# KiCad board tklc_v1_rgb_LP.kicad_pcb (continued)
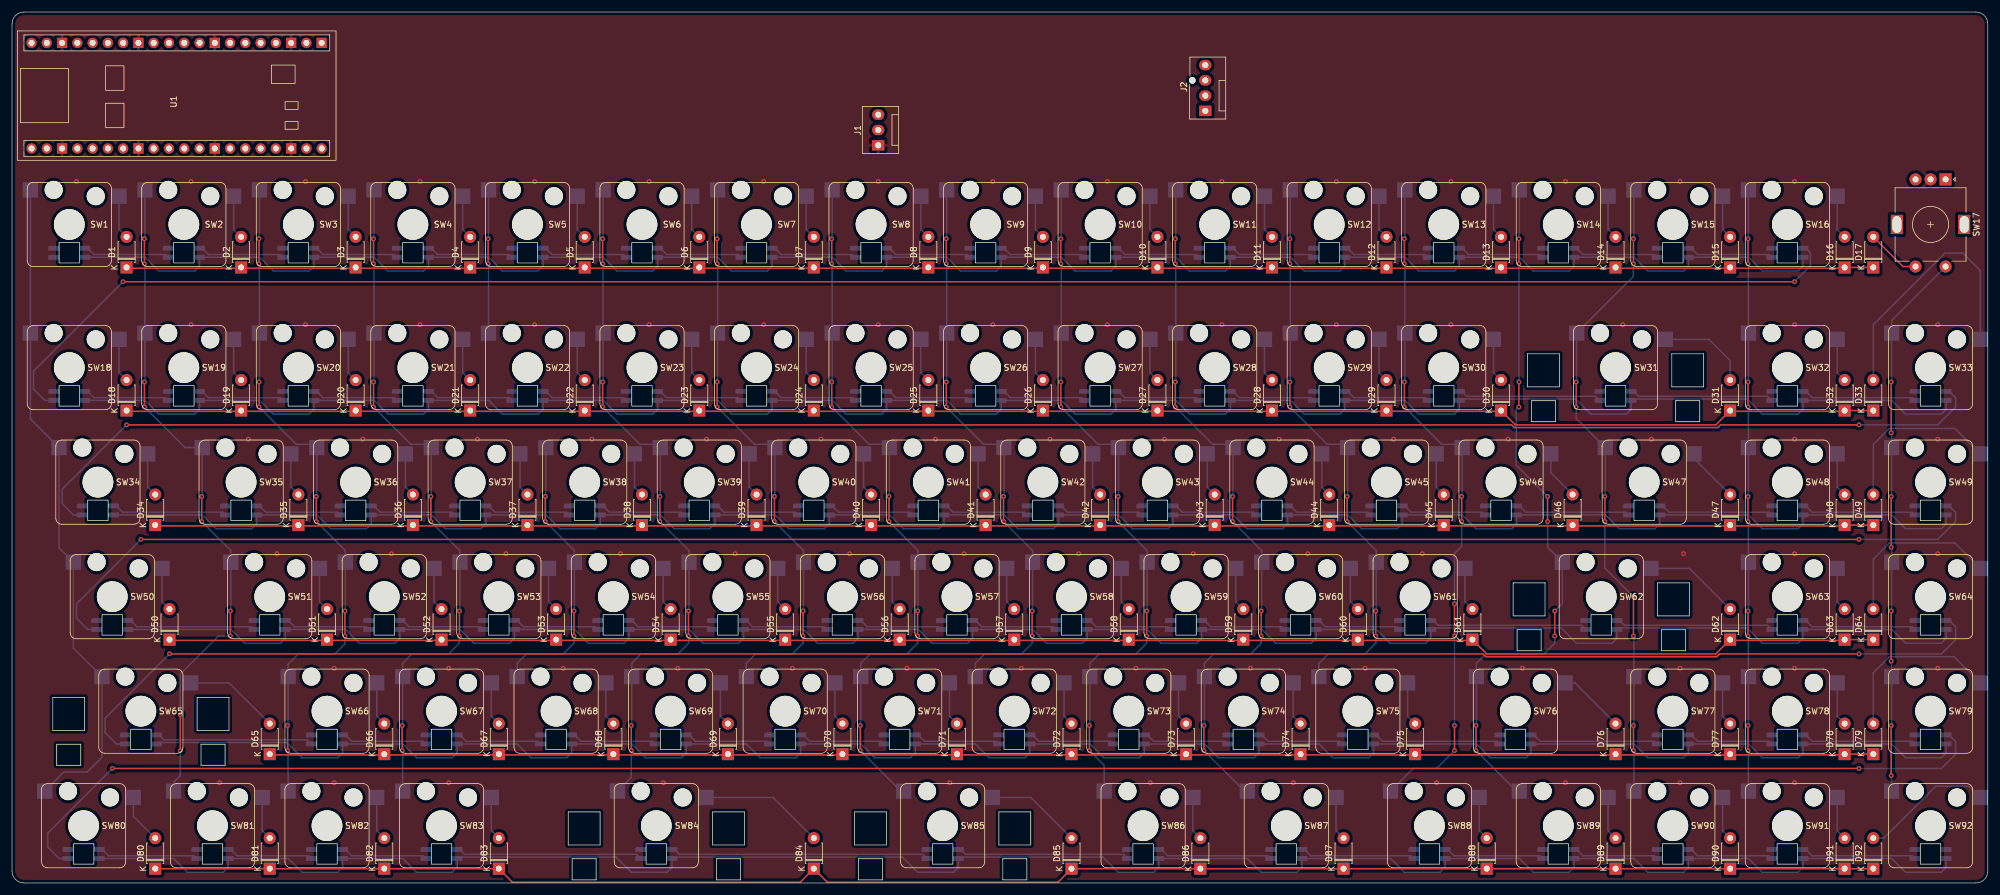
[diagram p0: board, top side]
## Nets (continued)
Net-(D70-Pad2): D70.2 SW70.1
Net-(D71-Pad2): D71.2 SW71.1
Net-(D72-Pad2): D72.2 SW72.1
Net-(D73-Pad2): D73.2 SW73.1
Net-(D74-Pad2): D74.2 SW74.1
Net-(D75-Pad2): D75.2 SW75.1
Net-(D76-Pad2): D76.2 SW76.1
Net-(D77-Pad2): D77.2 SW77.1
Net-(D78-Pad2): D78.2 SW78.1
Net-(D79-Pad2): D79.2 SW79.1
Net-(D80-Pad2): D80.2 SW80.1
Net-(D81-Pad2): D81.2 SW81.1
Net-(D82-Pad2): D82.2 SW82.1
Net-(D83-Pad2): D83.2 SW83.1
Net-(D84-Pad2): D84.2 SW84.1
Net-(D85-Pad2): D85.2 SW85.1
Net-(D86-Pad2): D86.2 SW86.1
Net-(D87-Pad2): D87.2 SW87.1
Net-(D88-Pad2): D88.2 SW88.1
Net-(D89-Pad2): D89.2 SW89.1
Net-(D90-Pad2): D90.2 SW90.1
Net-(D91-Pad2): D91.2 SW91.1
Net-(D92-Pad2): D92.2 SW92.1
Net-(SW1-Pad5): SW1.5 SW2.4
Net-(SW2-Pad5): SW2.5 SW3.4
Net-(SW3-Pad5): SW3.5 SW4.4
Net-(SW4-Pad5): SW4.5 SW5.4
Net-(SW5-Pad5): SW5.5 SW6.4
Net-(SW6-Pad5): SW6.5 SW7.4
Net-(SW7-Pad5): SW7.5 SW8.4
Net-(SW8-Pad5): SW8.5 SW9.4
Net-(SW10-Pad4): SW9.5 SW10.4
Net-(SW10-Pad5): SW10.5 SW11.4
Net-(SW11-Pad5): SW11.5 SW12.4
Net-(SW12-Pad5): SW12.5 SW13.4
Net-(SW13-Pad5): SW13.5 SW14.4
Net-(SW14-Pad5): SW14.5 SW15.4
Net-(SW15-Pad5): SW15.5 SW16.4
Net-(SW16-Pad5): SW16.5 SW18.4
Net-(SW18-Pad5): SW18.5 SW19.4
Net-(SW19-Pad5): SW19.5 SW20.4
Net-(SW20-Pad5): SW20.5 SW21.4
Net-(SW21-Pad5): SW21.5 SW22.4
Net-(SW22-Pad5): SW22.5 SW23.4
Net-(SW23-Pad5): SW23.5 SW24.4
Net-(SW24-Pad5): SW24.5 SW25.4
Net-(SW25-Pad5): SW25.5 SW26.4
Net-(SW26-Pad5): SW26.5 SW27.4
Net-(SW27-Pad5): SW27.5 SW28.4
Net-(SW28-Pad5): SW28.5 SW29.4
Net-(SW29-Pad5): SW29.5 SW30.4
Net-(SW30-Pad5): SW30.5 SW31.4
Net-(SW31-Pad5): SW31.5 SW32.4
Net-(SW32-Pad5): SW32.5 SW33.4
Net-(SW33-Pad5): SW33.5 SW34.4
Net-(SW34-Pad5): SW34.5 SW35.4
Net-(SW35-Pad5): SW35.5 SW36.4
Net-(SW36-Pad5): SW36.5 SW37.4
Net-(SW37-Pad5): SW37.5 SW38.4
Net-(SW38-Pad5): SW38.5 SW39.4
Net-(SW39-Pad5): SW39.5 SW40.4
Net-(SW40-Pad5): SW40.5 SW41.4
Net-(SW41-Pad5): SW41.5 SW42.4
Net-(SW42-Pad5): SW42.5 SW43.4
Net-(SW43-Pad5): SW43.5 SW44.4
Net-(SW44-Pad5): SW44.5 SW45.4
Net-(SW45-Pad5): SW45.5 SW46.4
Net-(SW46-Pad5): SW46.5 SW47.4
Net-(SW47-Pad5): SW47.5 SW48.4
Net-(SW48-Pad5): SW48.5 SW49.4
Net-(SW49-Pad5): SW49.5 SW50.4
Net-(SW50-Pad5): SW50.5 SW51.4
Net-(SW51-Pad5): SW51.5 SW52.4
Net-(SW52-Pad5): SW52.5 SW53.4
Net-(SW53-Pad5): SW53.5 SW54.4
Net-(SW54-Pad5): SW54.5 SW55.4
Net-(SW55-Pad5): SW55.5 SW56.4
Net-(SW56-Pad5): SW56.5 SW57.4
Net-(SW57-Pad5): SW57.5 SW58.4
Net-(SW58-Pad5): SW58.5 SW59.4
Net-(SW59-Pad5): SW59.5 SW60.4
Net-(SW60-Pad5): SW60.5 SW61.4
Net-(SW61-Pad5): SW61.5 SW62.4
Net-(SW62-Pad5): SW62.5 SW63.4
Net-(SW63-Pad5): SW63.5 SW64.4
Net-(SW64-Pad5): SW64.5 SW65.4
Net-(SW65-Pad5): SW65.5 SW66.4
Net-(SW66-Pad5): SW66.5 SW67.4
Net-(SW67-Pad5): SW67.5 SW68.4
Net-(SW68-Pad5): SW68.5 SW69.4
Net-(SW69-Pad5): SW69.5 SW70.4
Net-(SW70-Pad5): SW70.5 SW71.4
Net-(SW71-Pad5): SW71.5 SW72.4
Net-(SW72-Pad5): SW72.5 SW73.4
Net-(SW73-Pad5): SW73.5 SW74.4
Net-(SW74-Pad5): SW74.5 SW75.4
Net-(SW75-Pad5): SW75.5 SW76.4
Net-(SW76-Pad5): SW76.5 SW77.4
Net-(SW77-Pad5): SW77.5 SW78.4
Net-(SW78-Pad5): SW78.5 SW79.4
Net-(SW79-Pad5): SW79.5 SW80.4
Net-(SW80-Pad5): SW80.5 SW81.4
Net-(SW81-Pad5): SW81.5 SW82.4
Net-(SW82-Pad5): SW82.5 SW83.4
Net-(SW83-Pad5): SW83.5 SW84.4
Net-(SW84-Pad5): SW84.5 SW85.4
Net-(SW85-Pad5): SW85.5 SW86.4
Net-(SW86-Pad5): SW86.5 SW87.4
Net-(SW87-Pad5): SW87.5 SW88.4
Net-(SW88-Pad5): SW88.5 SW89.4
Net-(SW89-Pad5): SW89.5 SW90.4
Net-(SW90-Pad5): SW90.5 SW91.4
Net-(SW91-Pad5): SW91.5 SW92.4

Pads without a net: SW17 MP; SW92 5

## Via types
v1: diameter 0.8, hole 0.4, Top to Bottom, 243 vias

## Routing (per net, layer and track width the routed paths; a pad name or vN(x,y) marks a point on that pad's centre or on a via; arc(x,y) is an arc through that point)
GND:
  vias: v1(10.72,116.68) v1(29.77,116.68) v1(29.77,92.87) v1(34.53,16.67) v1(39.29,73.82) v1(44.05,54.77) v1(48.82,116.68) v1(48.82,92.87) v1(53.58,35.72) v1(53.58,16.67) v1(58.34,73.82) v1(63.1,54.77) v1(67.87,116.68) v1(67.87,92.87) v1(72.63,35.72) v1(72.63,16.67) v1(77.39,73.82) v1(82.15,54.77) v1(86.92,116.68) v1(86.92,92.87) v1(91.68,35.72) v1(96.44,73.82) v1(101.2,54.77) v1(105.97,116.68) v1(105.97,92.87) v1(108.35,16.67) v1(110.73,35.72) v1(115.49,73.82) v1(120.25,54.77) v1(125.02,116.68) v1(125.02,92.87) v1(129.78,35.72) v1(134.54,73.82) v1(139.3,54.77) v1(144.07,116.68) v1(144.07,92.87) v1(148.83,35.72) v1(153.59,73.82) v1(155.97,16.67) v1(158.35,54.77) v1(163.12,116.68) v1(163.12,92.87) v1(167.88,35.72) v1(172.64,73.82) v1(177.4,54.77) v1(182.17,116.68) v1(182.17,92.87) v1(186.93,35.72) v1(189.31,16.67) v1(191.69,73.82) v1(196.45,54.77) v1(201.22,116.68) v1(201.22,92.87) v1(205.98,35.72) v1(210.74,73.82) v1(213.12,16.67) v1(215.5,54.77) v1(220.27,116.68) v1(220.27,92.87) v1(225.03,35.72) v1(229.79,73.82) v1(234.55,54.77) v1(236.93,16.67) v1(239.32,116.68) v1(239.32,92.87) v1(248.84,73.82) v1(251.22,35.72) v1(258.37,116.68) v1(258.37,16.67) v1(267.89,92.87) v1(272.65,73.82) v1(277.42,116.68) v1(277.42,35.72) v1(277.42,16.67) v1(278.01,54.77) v1(296.47,116.68) v1(296.47,92.87) v1(296.47,73.82) v1(296.47,54.77) v1(296.47,35.72) v1(296.47,16.67) v1(320.28,92.87) v1(320.28,73.82) v1(320.28,54.77) v1(320.28,35.72)
/col0: length 111.2
  Bottom w0.25: SW80.2 8.61,18.45 12.5,18.45 14.96,20.91 SW65.2 10.19,39.09 SW50.2 7.81,55.76 SW34.2 3.05,77.19 SW18.2 SW1.2
/col1: length 112.9
  Top w0.25: v1(27.98,27.98) v1(27.98,22.03) ; v1(36.31,45.24) v1(36.31,41.08) ; v1(31.55,60.13) v1(31.55,64.29) ; v1(22.03,79.18) v1(22.03,83.34) ; v1(22.03,107.16) v1(22.03,102.99)
  Bottom w0.25: SW81.2 26.86,16.74 27.98,17.86 v1(27.98,22.03) ; v1(22.03,102.99) 22.1,102.92 SW19.2 22.1,83.42 v1(22.03,83.34) ; v1(27.98,27.98) 27.98,34.75 34.31,41.08 v1(36.31,41.08) ; v1(36.31,45.24) 36.39,45.32 SW51.2 36.39,55.29 v1(31.55,60.13) ; v1(22.03,107.16) 22.1,107.23 SW2.2 ; v1(31.55,64.29) 31.63,64.37 SW35.2 28.78,72.43 v1(22.03,79.18)
/col2: length 114.6
  Top w0.25: v1(50.6,60.13) v1(50.6,64.29) ; v1(41.08,102.99) v1(41.08,107.16) ; v1(45.84,22.03) v1(45.84,26.19) ; v1(41.08,79.18) v1(41.08,83.34) ; v1(55.36,41.08) v1(55.36,45.24)
  Bottom w0.25: v1(50.6,60.13) 55.44,55.29 SW52.2 55.44,45.32 v1(55.36,45.24) ; SW36.2 50.68,64.37 v1(50.6,64.29) ; v1(45.84,26.19) 45.91,26.27 SW66.2 45.91,36.39 47.63,38.1 53.71,38.1 55.36,39.75 v1(55.36,41.08) ; v1(41.08,79.18) 47.28,72.97 50.13,72.97 ; SW3.2 41.15,107.23 v1(41.08,107.16) ; v1(41.08,83.34) 41.15,83.42 SW20.2 41.15,102.92 v1(41.08,102.99) ; SW82.2 45.91,21.95 v1(45.84,22.03)
/col3: length 114.6
  Top w0.25: v1(60.13,107.16) v1(60.13,102.99) ; v1(60.13,79.18) v1(60.13,83.34) ; v1(74.41,41.08) v1(74.41,45.24) ; v1(64.89,26.19) v1(64.89,22.03) ; v1(69.65,60.13) v1(69.65,64.29)
  Bottom w0.25: v1(64.89,26.19) 64.96,26.27 SW67.2 64.96,36.55 66.52,38.1 72.63,38.1 74.41,39.89 v1(74.41,41.08) ; SW4.2 60.2,107.23 v1(60.13,107.16) ; 69.18,72.97 66.33,72.97 v1(60.13,79.18) ; SW83.2 64.96,21.95 v1(64.89,22.03) ; v1(60.13,83.34) 60.2,83.42 SW21.2 60.2,102.92 v1(60.13,102.99) ; v1(69.65,64.29) 69.73,64.37 SW37.2 ; v1(69.65,60.13) 74.49,55.29 SW53.2 74.49,45.32 v1(74.41,45.24)
/col4: length 71.5
  Top w0.25: v1(79.18,107.16) v1(79.18,102.99) ; v1(93.46,41.08) v1(93.46,45.24) ; v1(88.7,64.29) v1(88.7,60.13)
  Bottom w0.25: v1(88.7,64.29) 88.78,64.37 SW38.2 ; v1(79.18,107.16) 79.25,107.23 SW5.2 ; v1(88.7,60.13) 93.54,55.29 SW54.2 93.54,45.32 v1(93.46,45.24) ; v1(93.46,41.08) 93.46,39.89 91.68,38.1 85.57,38.1 84.01,36.55 SW68.2 ; SW22.2 79.25,102.92 v1(79.18,102.99)
/col5: length 115.5
  Top w0.25: v1(107.75,64.29) v1(107.75,60.13) ; v1(112.51,41.08) v1(112.51,45.24) ; v1(98.23,79.18) 98.23,79.8 v1(98.23,83.34) ; v1(102.99,26.19) v1(102.99,22.03) ; v1(98.23,107.16) v1(98.23,102.99)
  Bottom w0.25: 107.28,72.97 104.43,72.97 v1(98.23,79.18) ; v1(107.75,64.29) 107.83,64.37 SW39.2 ; v1(98.23,83.34) 98.3,83.42 SW23.2 98.3,102.92 v1(98.23,102.99) ; SW6.2 98.3,107.23 v1(98.23,107.16) ; v1(112.51,45.24) 112.59,45.32 SW55.2 112.59,55.29 v1(107.75,60.13) ; v1(102.99,26.19) 103.06,26.27 103.06,36.55 104.62,38.1 110.73,38.1 112.51,39.89 v1(112.51,41.08) ; v1(102.99,22.03) 102.99,17.58 SW84.2
/col6: length 95.5
  Top w0.25: v1(117.28,107.16) v1(117.28,102.99) ; v1(126.8,64.29) v1(126.8,60.13) ; v1(117.28,83.34) v1(117.28,79.18) ; v1(131.56,41.08) 131.56,44.65 v1(131.56,45.24)
  Bottom w0.25: SW40.2 126.88,64.37 v1(126.8,64.29) ; v1(117.28,107.16) 117.35,107.23 SW7.2 ; v1(131.56,45.24) 131.64,45.32 SW56.2 131.64,55.29 v1(126.8,60.13) ; v1(117.28,79.18) 123.48,72.97 126.33,72.97 ; v1(117.28,83.34) 117.35,83.42 SW24.2 117.35,102.92 v1(117.28,102.99) ; SW70.2 122.11,36.55 123.67,38.1 129.78,38.1 131.56,39.89 v1(131.56,41.08)
/col7: length 117.4
  Top w0.25: v1(141.09,26.19) v1(141.09,22.03) ; v1(150.61,41.08) 150.61,44.65 v1(150.61,45.24) ; v1(136.33,79.18) 136.33,79.8 v1(136.33,83.34) ; v1(136.33,107.16) v1(136.33,102.99) ; v1(145.85,64.29) v1(145.85,60.13)
  Bottom w0.25: v1(145.85,60.13) 150.69,55.29 SW57.2 150.69,45.32 v1(150.61,45.24) ; 145.38,72.97 142.53,72.97 v1(136.33,79.18) ; v1(141.09,22.03) 147.84,15.28 ; v1(136.33,83.34) 136.4,83.42 SW25.2 136.4,102.92 v1(136.33,102.99) ; v1(150.61,41.08) 150.61,39.89 148.83,38.1 142.72,38.1 141.16,36.55 141.16,26.27 v1(141.09,26.19) ; v1(145.85,64.29) 145.93,64.37 SW41.2 ; v1(136.33,107.16) 136.4,107.23 SW8.2
/col8: length 95.5
  Top w0.25: v1(155.38,107.16) v1(155.38,102.99) ; v1(169.66,41.08) v1(169.66,45.24) ; v1(155.38,83.34) v1(155.38,79.18) ; v1(164.9,64.29) v1(164.9,60.13)
  Bottom w0.25: SW72.2 160.21,36.55 161.77,38.1 167.88,38.1 169.66,39.89 v1(169.66,41.08) ; v1(155.38,83.34) 155.45,83.42 SW26.2 155.45,102.92 v1(155.38,102.99) ; SW9.2 155.45,107.23 v1(155.38,107.16) ; SW42.2 164.98,64.37 v1(164.9,64.29) ; v1(155.38,79.18) 161.58,72.97 164.43,72.97 ; v1(169.66,45.24) 169.74,45.32 SW58.2 169.74,55.29 v1(164.9,60.13)
/col9: length 115.6
  Top w0.25: v1(174.43,83.34) 174.43,79.8 174.43,79.8 v1(174.43,79.18) ; v1(174.43,102.99) 174.43,102.99 174.43,107.16 v1(174.43,107.16) ; v1(188.71,41.08) v1(188.71,45.24) ; v1(183.95,64.29) v1(183.95,60.13) ; v1(179.19,22.03) v1(179.19,26.19)
  Bottom w0.25: v1(174.43,79.18) 180.63,72.97 183.48,72.97 ; v1(179.19,26.19) 179.26,26.27 179.26,36.55 180.82,38.1 186.93,38.1 188.71,39.89 v1(188.71,41.08) ; SW10.2 174.5,107.23 v1(174.43,107.16) ; v1(174.43,83.34) 174.5,83.42 SW27.2 174.5,102.92 v1(174.43,102.99) ; v1(179.19,22.03) 181.64,19.57 SW86.2 ; SW43.2 184.03,64.37 v1(183.95,64.29) ; v1(188.71,45.24) 188.79,45.32 SW59.2 188.79,55.29 v1(183.95,60.13)
/col10: length 117.4
  Top w0.25: v1(198.24,26.19) v1(198.24,22.03) ; v1(193.48,83.34) 193.48,79.8 193.48,79.8 v1(193.48,79.18) ; v1(203,64.29) v1(203,60.13) ; v1(207.76,41.08) 207.76,44.65 v1(207.76,45.24) ; v1(193.48,102.99) 193.48,102.99 v1(193.48,107.16)
  Bottom w0.25: v1(193.48,102.99) 193.55,102.92 SW28.2 193.55,83.42 v1(193.48,83.34) ; SW11.2 193.55,107.23 v1(193.48,107.16) ; v1(193.48,79.18) 199.68,72.97 202.53,72.97 ; v1(207.76,41.08) 207.76,39.89 205.98,38.1 199.87,38.1 198.31,36.55 198.31,26.27 v1(198.24,26.19) ; v1(207.76,45.24) 207.84,45.32 SW60.2 207.84,55.29 v1(203,60.13) ; v1(198.24,22.03) 204.99,15.28 ; SW44.2 203.08,64.37 v1(203,64.29)
/col11: length 95.5
  Top w0.25: v1(222.05,64.29) v1(222.05,60.13) ; v1(226.81,41.08) v1(226.81,45.24) ; v1(212.53,79.18) 212.53,79.8 212.53,79.8 v1(212.53,83.34) ; v1(212.53,107.16) 212.53,107.16 212.53,102.99 v1(212.53,102.99)
  Bottom w0.25: SW12.2 212.6,107.23 v1(212.53,107.16) ; v1(226.81,41.08) 226.81,39.89 225.03,38.1 218.92,38.1 217.36,36.55 SW75.2 ; v1(226.81,45.24) 226.89,45.32 SW61.2 226.89,55.29 v1(222.05,60.13) ; 221.58,72.97 218.73,72.97 v1(212.53,79.18) ; SW45.2 222.13,64.37 v1(222.05,64.29) ; v1(212.53,102.99) 212.6,102.92 SW29.2 212.6,83.42 v1(212.53,83.34)
/col12: length 112.2
  Top w0.25: v1(239.91,41.08) v1(239.91,46.43) ; v1(231.58,107.16) v1(231.58,102.99) ; v1(241.1,64.29) v1(241.1,60.13) ; v1(239.91,22.03) v1(239.91,26.19) ; v1(231.58,83.34) v1(231.58,79.18)
  Bottom w0.25: v1(231.58,102.99) 231.65,102.92 SW30.2 231.65,83.42 v1(231.58,83.34) ; v1(239.91,46.43) 239.91,54.8 241.1,55.99 v1(241.1,60.13) ; v1(241.1,64.29) 241.18,64.37 SW46.2 ; v1(239.91,41.08) v1(239.91,26.19) ; SW88.2 233.04,19.05 236.93,19.05 v1(239.91,22.03) ; 240.63,72.97 237.78,72.97 v1(231.58,79.18) ; SW13.2 231.65,107.23 v1(231.58,107.16)
/col13: length 117.8
  Top w0.25: v1(256.58,41.08) v1(256.58,45.24) ; v1(250.63,83.34) v1(250.63,79.18) ; v1(243.48,22.03) v1(243.48,26.19) ; v1(255.39,64.29) v1(255.39,60.13) ; v1(250.63,102.99) v1(250.63,107.16)
  Bottom w0.25: v1(255.39,64.29) 250.18,69.51 250.18,78.73 v1(250.63,79.18) ; SW14.2 250.7,107.23 v1(250.63,107.16) ; v1(256.58,45.24) 257.84,46.51 SW62.2 255.39,55.83 v1(255.39,60.13) ; v1(243.48,26.19) 243.56,26.27 243.56,36.55 245.11,38.1 254.79,38.1 256.58,39.89 v1(256.58,41.08) ; v1(243.48,22.03) 250.23,15.28 ; v1(250.63,83.34) v1(250.63,102.99)
/col14: length 108.1
  Top w0.25: v1(260.15,79.18) v1(260.15,83.34) ; v1(269.68,41.08) v1(269.68,47.62) ; v1(264.91,60.13) v1(264.91,64.29) ; v1(269.68,22.03) v1(269.68,26.19) ; v1(269.68,102.99) v1(269.68,107.16)
  Bottom w0.25: v1(269.68,102.99) 269.68,100.93 SW31.2 260.23,83.42 v1(260.15,83.34) ; v1(269.68,26.19) 269.75,26.27 SW77.2 269.75,41 v1(269.68,41.08) ; v1(269.68,47.62) 264.91,52.39 v1(264.91,60.13) ; v1(269.68,107.16) 269.75,107.23 SW15.2 ; v1(260.15,79.18) 260.15,77.26 SW47.2 264.99,64.37 v1(264.91,64.29) ; v1(269.68,22.03) 269.75,21.95 SW90.2
/col15: length 100.3
  Top w0.25: v1(288.73,26.19) v1(288.73,22.03) ; v1(288.73,64.29) v1(288.73,60.13) ; v1(288.73,79.18) v1(288.73,83.34) ; v1(288.73,45.24) v1(288.73,41.08) ; v1(288.73,107.16) v1(288.73,102.99)
  Bottom w0.25: SW16.2 288.8,107.23 v1(288.73,107.16) ; v1(288.73,64.29) 288.8,64.37 SW48.2 288.8,79.1 v1(288.73,79.18) ; v1(288.73,60.13) 288.8,60.05 SW63.2 288.8,45.32 v1(288.73,45.24) ; v1(288.73,22.03) 288.8,21.95 SW91.2 ; v1(288.73,83.34) 288.8,83.42 SW32.2 288.8,102.92 v1(288.73,102.99) ; v1(288.73,26.19) 288.8,26.27 SW78.2 288.8,41 v1(288.73,41.08)
/col16: length 91.2
  Top w0.25: v1(312.54,36.91) v1(312.54,45.24) ; v1(312.54,55.83) v1(312.54,64.29) ; v1(312.54,17.86) v1(312.54,26.19) ; v1(312.54,74.88) v1(312.54,83.34)
  Bottom w0.25: v1(312.54,45.24) 312.61,45.32 SW64.2 312.61,55.76 v1(312.54,55.83) ; SW17.S1 312.61,93.56 SW33.2 312.61,83.42 v1(312.54,83.34) ; SW92.2 312.61,17.79 v1(312.54,17.86) ; v1(312.54,26.19) 312.61,26.27 SW79.2 312.61,36.84 v1(312.54,36.91) ; v1(312.54,64.29) 312.61,64.37 SW49.2 312.61,74.81 v1(312.54,74.88)
/PWR: length 340.9
  Bottom w0.25: SW80.3 26.88,4.08 29.17,1.79 35.12,1.79 35.94,2.6 SW81.3 45.93,4.08 48.22,1.79 54.17,1.79 54.99,2.6 SW82.3 64.98,4.08 67.27,1.79 73.22,1.79 74.04,2.6 SW83.3 74.28,4.31 100.46,4.31 102.99,1.79 108.94,1.79 109.76,2.6 SW84.3 109.99,4.31 148.09,4.31 150.61,1.79 156.57,1.79 157.38,2.6 SW85.3 157.62,4.31 181.42,4.31 183.95,1.79 189.9,1.79 190.72,2.6 SW86.3 205.48,4.08 207.76,1.79 213.72,1.79 214.53,2.6 SW87.3 229.29,4.08 231.58,1.79 237.53,1.79 238.34,2.6 SW88.3 250.72,4.08 253.01,1.79 258.96,1.79 259.78,2.6 SW89.3 269.77,4.08 272.06,1.79 278.01,1.79 278.83,2.6 SW90.3 288.82,4.08 291.11,1.79 297.06,1.79 297.88,2.6 SW91.3 312.63,4.08 314.92,1.79 320.87,1.79 321.69,2.6 SW92.3
/RGB_PWR: length 1702.7
  Bottom w0.25: SW34.3 31.64,61.23 33.93,58.94 39.89,58.94 40.7,59.75 SW35.3 50.69,61.23 52.98,58.94 58.94,58.94 59.75,59.75 SW36.3 69.74,61.23 72.03,58.94 77.99,58.94 78.8,59.75 SW37.3 88.79,61.23 91.08,58.94 97.04,58.94 97.85,59.75 SW38.3 107.84,61.23 110.13,58.94 116.09,58.94 116.9,59.75 SW39.3 126.89,61.23 129.18,58.94 135.14,58.94 135.95,59.75 SW40.3 145.94,61.23 148.23,58.94 154.19,58.94 155,59.75 SW41.3 164.99,61.23 167.28,58.94 173.24,58.94 174.05,59.75 SW42.3 184.04,61.23 186.33,58.94 192.29,58.94 193.1,59.75 SW43.3 203.09,61.23 205.38,58.94 211.34,58.94 212.15,59.75 SW44.3 222.14,61.23 224.43,58.94 230.39,58.94 231.2,59.75 SW45.3 241.19,61.23 243.48,58.94 249.44,58.94 250.25,59.75 SW46.3 265.01,61.23 267.3,58.94 273.25,58.94 274.06,59.75 SW47.3 288.82,61.23 291.11,58.94 297.06,58.94 297.88,59.75 SW48.3 312.63,61.23 314.92,58.94 320.87,58.94 321.69,59.75 SW49.3 ; 19.27,42.18 36.41,42.18 38.7,39.89 44.65,39.89 45.46,40.7 SW51.3 55.46,42.18 57.75,39.89 63.7,39.89 64.51,40.7 SW52.3 74.51,42.18 76.8,39.89 82.75,39.89 83.56,40.7 SW53.3 93.56,42.18 95.85,39.89 101.8,39.89 102.61,40.7 SW54.3 112.61,42.18 114.9,39.89 120.85,39.89 121.66,40.7 SW55.3 131.66,42.18 133.95,39.89 139.9,39.89 140.71,40.7 SW56.3 150.71,42.18 153,39.89 158.95,39.89 159.76,40.7 SW57.3 169.76,42.18 172.05,39.89 178,39.89 178.81,40.7 SW58.3 188.81,42.18 191.1,39.89 197.05,39.89 197.86,40.7 SW59.3 207.86,42.18 210.15,39.89 216.1,39.89 216.91,40.7 SW60.3 226.91,42.18 229.2,39.89 235.15,39.89 235.96,40.7 SW61.3 236.2,42.41 257.67,42.41 260.2,39.89 266.1,39.89 266.92,40.7 SW62.3 267.16,42.41 288.58,42.41 291.11,39.89 297.06,39.89 297.88,40.7 SW63.3 312.63,42.18 314.92,39.89 320.87,39.89 321.69,40.7 SW64.3 ; SW79.3 321.69,21.65 320.87,20.84 314.92,20.84 312.63,23.13 SW78.3 297.88,21.65 297.06,20.84 291.11,20.84 288.82,23.13 SW77.3 278.83,21.65 278.01,20.84 272.06,20.84 269.77,23.13 SW76.3 252.63,21.65 251.82,20.84 245.86,20.84 243.58,23.13 SW75.3 226.44,21.65 225.62,20.84 219.67,20.84 217.38,23.13 SW74.3 207.39,21.65 206.57,20.84 200.62,20.84 198.33,23.13 SW73.3 188.34,21.65 187.52,20.84 181.57,20.84 179.28,23.13 SW72.3 169.29,21.65 168.47,20.84 162.52,20.84 160.23,23.13 SW71.3 150.24,21.65 149.42,20.84 143.47,20.84 141.18,23.13 SW70.3 131.19,21.65 130.37,20.84 124.42,20.84 122.13,23.13 SW69.3 112.14,21.65 111.32,20.84 105.37,20.84 103.08,23.13 SW68.3 93.09,21.65 92.27,20.84 86.32,20.84 84.03,23.13 SW67.3 74.04,21.65 73.22,20.84 67.27,20.84 64.98,23.13 SW66.3 54.99,21.65 54.17,20.84 48.22,20.84 45.69,23.36 24.27,23.36 SW65.3 ; SW1.3 22.12,104.09 24.41,101.8 30.36,101.8 31.18,102.61 SW2.3 41.17,104.09 43.46,101.8 49.41,101.8 50.23,102.61 SW3.3 60.22,104.09 62.51,101.8 68.46,101.8 69.28,102.61 SW4.3 79.27,104.09 81.56,101.8 87.51,101.8 88.33,102.61 SW5.3 98.32,104.09 100.61,101.8 106.56,101.8 107.38,102.61 SW6.3 117.37,104.09 119.66,101.8 125.61,101.8 126.43,102.61 SW7.3 136.42,104.09 138.71,101.8 144.66,101.8 145.48,102.61 SW8.3 155.47,104.09 157.76,101.8 163.71,101.8 164.53,102.61 SW9.3 174.52,104.09 176.81,101.8 182.76,101.8 183.58,102.61 SW10.3 193.57,104.09 195.86,101.8 201.81,101.8 202.63,102.61 SW11.3 212.62,104.09 214.91,101.8 220.86,101.8 221.68,102.61 SW12.3 231.67,104.09 233.96,101.8 239.91,101.8 240.73,102.61 SW13.3 250.72,104.09 253.01,101.8 258.96,101.8 259.78,102.61 SW14.3 269.77,104.09 272.06,101.8 278.01,101.8 278.83,102.61 SW15.3 288.82,104.09 291.11,101.8 297.06,101.8 297.88,102.61 SW16.3 ; SW33.3 321.69,78.8 320.87,77.99 314.92,77.99 312.63,80.28 SW32.3 297.88,78.8 297.06,77.99 291.11,77.99 288.58,80.51 269.54,80.51 SW31.3 269.3,78.8 268.49,77.99 262.58,77.99 260.05,80.51 240.96,80.51 SW30.3 240.73,78.8 239.91,77.99 233.96,77.99 231.67,80.28 SW29.3 221.68,78.8 220.86,77.99 214.91,77.99 212.62,80.28 SW28.3 202.63,78.8 201.81,77.99 195.86,77.99 193.57,80.28 SW27.3 183.58,78.8 182.76,77.99 176.81,77.99 174.52,80.28 SW26.3 164.53,78.8 163.71,77.99 157.76,77.99 155.47,80.28 SW25.3 145.48,78.8 144.66,77.99 138.71,77.99 136.42,80.28 SW24.3 126.43,78.8 125.61,77.99 119.66,77.99 117.37,80.28 SW23.3 107.38,78.8 106.56,77.99 100.61,77.99 98.32,80.28 SW22.3 88.33,78.8 87.51,77.99 81.56,77.99 79.27,80.28 SW21.3 69.28,78.8 68.46,77.99 62.51,77.99 60.22,80.28 SW20.3 50.23,78.8 49.41,77.99 43.46,77.99 41.17,80.28 SW19.3 31.18,78.8 30.36,77.99 24.41,77.99 22.12,80.28 SW18.3
/row0: length 286.6
  Top w0.25: 19.18,102.26 37.97,102.26 ; 285.62,102.26 266.83,102.26 ; 304.67,102.26 285.88,102.26 ; D17.1 D16.1 ; 228.47,102.26 209.68,102.26 ; 95.38,102.26 114.17,102.26 ; 247.52,102.26 228.73,102.26 ; 266.57,102.26 247.78,102.26 ; 133.48,102.26 152.27,102.26 ; 171.32,102.26 152.53,102.26 ; 209.42,102.26 190.63,102.26 ; 76.07,102.26 57.28,102.26 ; 190.37,102.26 171.58,102.26 ; 95.12,102.26 76.33,102.26 ; 38.23,102.26 57.02,102.26 ; 114.43,102.26 133.22,102.26
/row1: length 289.1
  Top w0.25: 152.53,78.45 171.32,78.45 ; 190.63,78.45 209.42,78.45 ; 95.38,78.45 114.17,78.45 ; 209.68,78.45 228.47,78.45 ; D32.1 D33.1 ; 171.58,78.45 190.37,78.45 ; 228.73,78.45 247.52,78.45 ; 285.88,78.45 304.67,78.45 ; D30.1 250.03,76.2 283.37,76.2 D31.1 ; 114.43,78.45 133.22,78.45 ; 57.28,78.45 76.07,78.45 ; 76.33,78.45 95.12,78.45 ; 19.18,78.45 37.97,78.45 ; 133.48,78.45 152.27,78.45 ; 38.23,78.45 57.02,78.45
/row2: length 282.1
  Top w0.25: 104.9,59.4 123.7,59.4 ; 47.75,59.4 66.55,59.4 ; 180.85,59.4 162.05,59.4 ; 199.9,59.4 181.1,59.4 ; 23.94,59.4 47.5,59.4 ; 161.8,59.4 143,59.4 ; 85.85,59.4 104.65,59.4 ; 259.69,59.4 285.62,59.4 ; 259.43,59.4 238.25,59.4 ; 285.88,59.4 304.67,59.4 ; 219.2,59.4 238,59.4 ; 85.6,59.4 66.8,59.4 ; D49.1 D48.1 ; 142.75,59.4 123.95,59.4 ; 200.15,59.4 218.95,59.4
/row3: length 282.2
  Top w0.25: 26.32,40.35 52.26,40.35 ; 285.88,40.35 304.67,40.35 ; 185.87,40.35 204.66,40.35 ; D61.1 245.27,38.1 283.37,38.1 D62.1 ; 52.52,40.35 71.31,40.35 ; 71.57,40.35 90.36,40.35 ; 128.72,40.35 147.51,40.35 ; 147.77,40.35 166.56,40.35 ; 90.62,40.35 109.41,40.35 ; D63.1 D64.1 ; 204.92,40.35 223.71,40.35 ; 109.67,40.35 128.46,40.35 ; 223.97,40.35 242.76,40.35 ; 166.82,40.35 185.61,40.35
/row4: length 263.3
  Top w0.25: D78.1 D79.1 ; 157.29,21.3 176.08,21.3 ; 266.83,21.3 285.62,21.3 ; 42.99,21.3 61.78,21.3 ; 138.24,21.3 157.03,21.3 ; 100.14,21.3 118.93,21.3 ; 81.09,21.3 99.88,21.3 ; 176.34,21.3 195.13,21.3 ; 195.39,21.3 214.18,21.3 ; 119.19,21.3 137.98,21.3 ; 62.04,21.3 80.83,21.3 ; 214.44,21.3 233.23,21.3 ; 233.49,21.3 266.57,21.3 ; 285.88,21.3 304.67,21.3
/row5: length 289.5
  Top w0.25: D92.1 D91.1 D90.1 D89.1 D88.1 D87.1 D86.1 D85.1 173.96,0.13 135.61,0.13 D84.1 131.09,0.13 83.22,0.13 D83.1 D80.1
Net-(D1-Pad2): length 7.3
  Bottom w0.25: SW1.1 17.8,108.72 D1.2
Net-(D2-Pad2): length 7.3
  Bottom w0.25: D2.2 36.85,108.72 SW2.1
Net-(D3-Pad2): length 7.3
  Bottom w0.25: SW3.1 55.9,108.72 D3.2
Net-(D4-Pad2): length 7.3
  Bottom w0.25: D4.2 74.95,108.72 SW4.1
Net-(D5-Pad2): length 7.3
  Bottom w0.25: SW5.1 94,108.72 D5.2
Net-(D6-Pad2): length 7.3
  Bottom w0.25: SW6.1 113.05,108.72 D6.2
Net-(D7-Pad2): length 7.3
  Bottom w0.25: SW7.1 132.1,108.72 D7.2
Net-(D8-Pad2): length 7.3
  Bottom w0.25: SW8.1 151.15,108.72 D8.2
Net-(D9-Pad2): length 7.3
  Bottom w0.25: SW9.1 170.2,108.72 D9.2
Net-(D10-Pad2): length 7.3
  Bottom w0.25: D10.2 189.25,108.72 SW10.1
Net-(D11-Pad2): length 7.3
  Bottom w0.25: D11.2 208.3,108.72 SW11.1
Net-(D12-Pad2): length 7.3
  Bottom w0.25: SW12.1 227.35,108.72 D12.2
Net-(D13-Pad2): length 7.3
  Bottom w0.25: D13.2 246.4,108.72 SW13.1
Net-(D14-Pad2): length 7.3
  Bottom w0.25: D14.2 265.45,108.72 SW14.1
Net-(D15-Pad2): length 7.3
  Bottom w0.25: SW15.1 284.5,108.72 D15.2
Net-(D16-Pad2): length 7.3
  Bottom w0.25: D16.2 303.55,108.72 SW16.1
Net-(D17-Pad2): length 9.1
  Top w0.25: D17.2 314.5,102.54 SW17.S2
Net-(D18-Pad2): length 7.3
  Bottom w0.25: D18.2 17.8,84.91 SW18.1
Net-(D19-Pad2): length 7.3
  Bottom w0.25: SW19.1 36.85,84.91 D19.2
Net-(D20-Pad2): length 7.3
  Bottom w0.25: SW20.1 55.9,84.91 D20.2
Net-(D21-Pad2): length 7.3
  Bottom w0.25: D21.2 74.95,84.91 SW21.1
Net-(D22-Pad2): length 7.3
  Bottom w0.25: D22.2 94,84.91 SW22.1
Net-(D23-Pad2): length 7.3
  Bottom w0.25: D23.2 113.05,84.91 SW23.1
Net-(D24-Pad2): length 7.3
  Bottom w0.25: SW24.1 132.1,84.91 D24.2
Net-(D25-Pad2): length 7.3
  Bottom w0.25: SW25.1 151.15,84.91 D25.2
Net-(D26-Pad2): length 7.3
  Bottom w0.25: D26.2 170.2,84.91 SW26.1
Net-(D27-Pad2): length 7.3
  Bottom w0.25: SW27.1 189.25,84.91 D27.2
Net-(D28-Pad2): length 7.3
  Bottom w0.25: SW28.1 208.3,84.91 D28.2
Net-(D29-Pad2): length 7.3
  Bottom w0.25: D29.2 227.35,84.91 SW29.1
Net-(D30-Pad2): length 7.3
  Bottom w0.25: SW30.1 246.4,84.91 D30.2
Net-(D31-Pad2): length 15.6
  Bottom w0.25: SW31.1 282.24,90.43 285.75,86.92 285.75,83.5
Net-(D32-Pad2): length 7.3
  Bottom w0.25: SW32.1 303.55,84.91 D32.2
Net-(D33-Pad2): length 44.6
  Bottom w0.25: SW33.1 327.36,101.86 324.45,104.77 321.47,104.77 309.56,92.87 D33.2
Net-(D34-Pad2): length 7.3
  Bottom w0.25: D34.2 22.56,65.86 SW34.1
Net-(D35-Pad2): length 7.3
  Bottom w0.25: SW35.1 46.38,65.86 D35.2
Net-(D36-Pad2): length 7.3
  Bottom w0.25: D36.2 65.43,65.86 SW36.1
Net-(D37-Pad2): length 7.3
  Bottom w0.25: D37.2 84.48,65.86 SW37.1
Net-(D38-Pad2): length 7.3
  Bottom w0.25: D38.2 103.53,65.86 SW38.1
Net-(D39-Pad2): length 7.3
  Bottom w0.25: D39.2 122.58,65.86 SW39.1
Net-(D40-Pad2): length 7.3
  Bottom w0.25: D40.2 141.63,65.86 SW40.1
Net-(D41-Pad2): length 7.3
  Bottom w0.25: SW41.1 160.68,65.86 D41.2
Net-(D42-Pad2): length 7.3
  Bottom w0.25: SW42.1 179.73,65.86 D42.2
Net-(D43-Pad2): length 7.3
  Bottom w0.25: D43.2 198.78,65.86 SW43.1
Net-(D44-Pad2): length 7.3
  Bottom w0.25: D44.2 217.83,65.86 SW44.1
Net-(D45-Pad2): length 7.3
  Bottom w0.25: SW45.1 236.88,65.86 D45.2
Net-(D46-Pad2): length 8.3
  Bottom w0.25: SW46.1 255.93,68.24 D46.2
Net-(D47-Pad2): length 8.5
  Bottom w0.25: 279.74,70.62 D47.2
Net-(D48-Pad2): length 7.3
  Bottom w0.25: D48.2 303.55,65.86 SW48.1
Net-(D49-Pad2): length 29
  Bottom w0.25: SW49.1 323.13,75.6 312.24,75.6 309.56,72.93 D49.2
Net-(D50-Pad2): length 7.3
  Bottom w0.25: 26.19,45.56 24.94,46.81 SW50.1
Net-(D51-Pad2): length 7.3
  Bottom w0.25: 52.39,45.56 51.14,46.81 SW51.1
Net-(D52-Pad2): length 7.3
  Bottom w0.25: 71.44,45.56 70.19,46.81 SW52.1
Net-(D53-Pad2): length 7.3
  Bottom w0.25: SW53.1 89.24,46.81 90.49,45.56
Net-(D54-Pad2): length 7.3
  Bottom w0.25: 109.54,45.56 108.29,46.81 SW54.1
Net-(D55-Pad2): length 7.3
  Bottom w0.25: SW55.1 127.34,46.81 128.59,45.56
Net-(D56-Pad2): length 7.3
  Bottom w0.25: SW56.1 146.39,46.81 147.64,45.56
Net-(D57-Pad2): length 7.3
  Bottom w0.25: 166.69,45.56 165.44,46.81 SW57.1
Net-(D58-Pad2): length 7.3
  Bottom w0.25: SW58.1 184.49,46.81 185.74,45.56
Net-(D59-Pad2): length 7.3
  Bottom w0.25: SW59.1 203.54,46.81 204.79,45.56
Net-(D60-Pad2): length 7.3
  Bottom w0.25: 223.84,45.56 222.59,46.81 SW60.1
Net-(D61-Pad2): length 7.3
  Bottom w0.25: SW61.1 241.64,46.81 242.89,45.56
Net-(D62-Pad2): length 16
  Bottom w0.25: SW62.1 278.99,52.33 285.75,45.56
Net-(D63-Pad2): length 7.3
  Bottom w0.25: 304.8,45.56 303.55,46.81 SW63.1
Net-(D64-Pad2): length 29
  Bottom w0.25: SW64.1 323.13,56.55 312.24,56.55 309.56,53.88 309.56,45.56
Net-(D65-Pad2): length 16
  Bottom w0.25: D65.2 36.1,33.28 SW65.1
Net-(D66-Pad2): length 7.3
  Bottom w0.25: SW66.1 60.66,27.76 D66.2
Net-(D67-Pad2): length 7.3
  Bottom w0.25: SW67.1 79.71,27.76 D67.2
Net-(D68-Pad2): length 7.3
  Bottom w0.25: D68.2 98.76,27.76 SW68.1
Net-(D69-Pad2): length 7.3
  Bottom w0.25: SW69.1 117.81,27.76 D69.2
Net-(D70-Pad2): length 7.3
  Bottom w0.25: SW70.1 136.86,27.76 D70.2
Net-(D71-Pad2): length 7.3
  Bottom w0.25: D71.2 155.91,27.76 SW71.1
Net-(D72-Pad2): length 7.3
  Bottom w0.25: SW72.1 174.96,27.76 D72.2
Net-(D73-Pad2): length 7.3
  Bottom w0.25: D73.2 194.01,27.76 SW73.1
Net-(D74-Pad2): length 7.3
  Bottom w0.25: SW74.1 213.06,27.76 D74.2
Net-(D75-Pad2): length 7.3
  Bottom w0.25: D75.2 232.11,27.76 SW75.1
Net-(D76-Pad2): length 11.2
  Bottom w0.25: D76.2 259.94,33.28 SW76.1
Net-(D77-Pad2): length 7.3
  Bottom w0.25: D77.2 284.5,27.76 SW77.1
Net-(D78-Pad2): length 7.3
  Bottom w0.25: D78.2 303.55,27.76 SW78.1
Net-(D79-Pad2): length 29.2
  Bottom w0.25: SW79.1 323,37.63 312.24,37.63 309.56,34.96 D79.2
Net-(D80-Pad2): length 8.3
  Bottom w0.25: SW80.1 20.18,11.09 23.81,7.46
Net-(D81-Pad2): length 7.3
  Bottom w0.25: SW81.1 41.61,8.71 42.86,7.46
Net-(D82-Pad2): length 7.3
  Bottom w0.25: 61.91,7.46 60.66,8.71 SW82.1
Net-(D83-Pad2): length 7.3
  Bottom w0.25: 80.96,7.46 79.71,8.71 SW83.1
Net-(D84-Pad2): length 20.7
  Bottom w0.25: SW84.1 126.59,14.23 133.35,7.46
Net-(D85-Pad2): length 16
  Bottom w0.25: 176.21,7.46 169.45,14.23 SW85.1
Net-(D86-Pad2): length 7.3
  Bottom w0.25: 197.64,7.46 196.39,8.71 SW86.1
Net-(D87-Pad2): length 7.3
  Bottom w0.25: 221.46,7.46 220.21,8.71 SW87.1
Net-(D88-Pad2): length 7.3
  Bottom w0.25: 245.27,7.46 244.02,8.71 SW88.1
Net-(D89-Pad2): length 7.3
  Bottom w0.25: SW89.1 265.45,8.71 266.7,7.46
Net-(D90-Pad2): length 7.3
  Bottom w0.25: 285.75,7.46 284.5,8.71 SW90.1
Net-(D91-Pad2): length 7.3
  Bottom w0.25: 304.8,7.46 303.55,8.71 SW91.1
